# Altium PCB PCB - v2.PcbDoc (part 1 of 2) (continued)
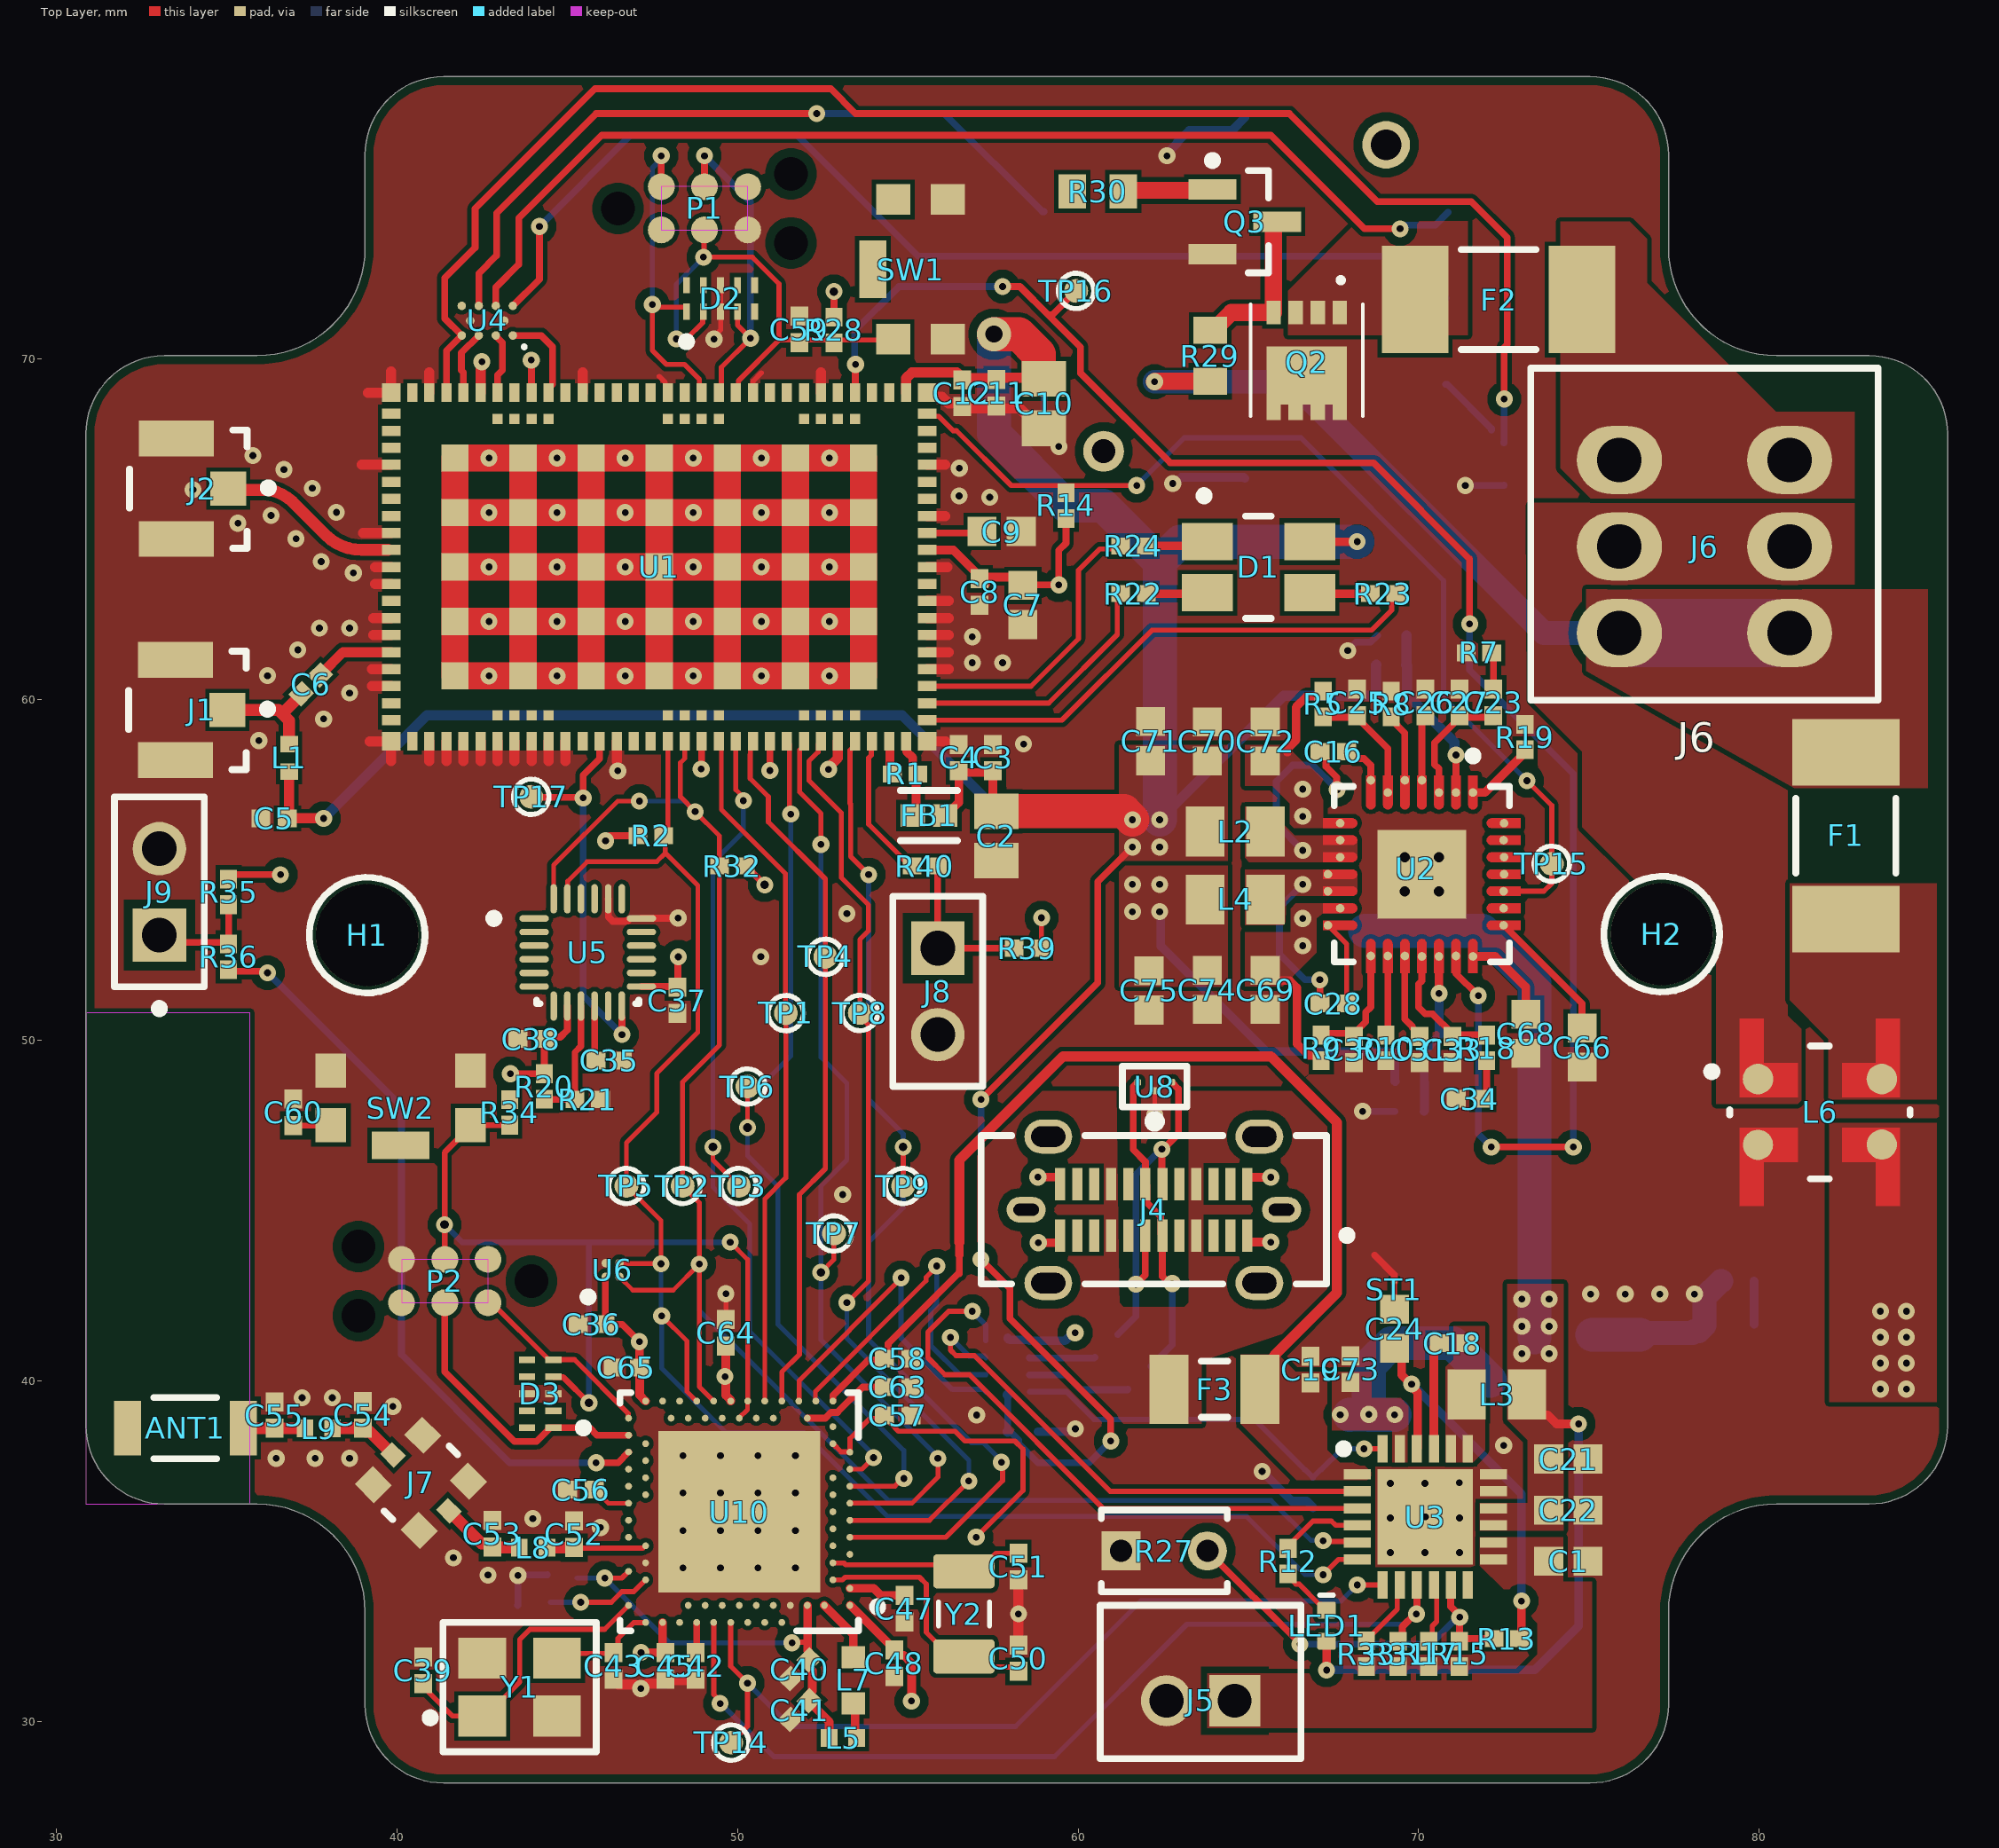
[diagram p0: Top Layer view]
## Components (designator, comment, footprint, x,y, rotation, side; value= is the part's Value field where it differs from the comment) (continued)
R23 "Resistor 0403" "RESC1005X40X25LL10T10 HD" 68.961,63.119 r180 top value=?R
R24 "Resistor 0403" "RESC1005X40X25LL10T10 HD" 61.628,64.516 r0 top value=?R
R25 "Resistor 0403" "RESC1005X40X25LL10T10 HD" 60.833,41.021 r225 bottom value=22
R26 "Resistor 0403" "RESC1005X40X25LL10T10 HD" 61.804,40.087 r225 bottom value=22
R27 "103AT-2" FP-103AT-2-MFG 62.53,35 r0 top
R28 "Resistor 0403" "RESC1005X40X25LL10T10 HD" 52.832,70.86 r90 top value=?R
R29 "Resistor 0603" RESC1608X55X25ML10T15 63.881,70.104 r270 top value=?R
R30 "Resistor 0603" RESC1608X55X25ML10T15 60.579,74.93 r0 top value=?R
R31 "Resistor 0403" "RESC1005X40X25LL10T10 HD" 69.4,31.975 r90 top value=?R
R32 "Resistor 0403" "RESC1005X40X25LL10T10 HD" 49.845,55.118 r0 top value=?R
R33 "Resistor 0403" "RESC1005X40X25LL10T10 HD" 68.47,31.98 r90 top value=?R
R34 "Resistor 0403" "RESC1005X40X25LL10T10 HD" 43.307,47.879 r90 top value=?R
R35 "Resistor 0403" "RESC1005X40X25LL10T10 HD" 35.052,54.356 r270 top value=?R
R36 "Resistor 0403" "RESC1005X40X25LL10T10 HD" 35.052,52.451 r270 top value=?R
R39 "Resistor 0403" "RESC1005X40X25LL10T10 HD" 58.503,52.705 r180 top value=?R
R40 "Resistor 0403" "RESC1005X40X25LL10T10 HD" 55.499,55.118 r0 top value=?R
ST1 "2 pin starpoint" "2 PIN STARPOINT" 69.289,42.687 r270 top net-tie value=N.A.
SW1 "MCIPTG33K-V" MCIPTG33K-V-Footprint-1 53.975,72.644 r90 top
SW2 "MCIPTG33K-V" MCIPTG33K-V-Footprint-1 40.103,46.91 r180 top
TP1 "TP_SMD_Ø0.7MM" TP_SMD_Ø0.7mm 51.419,50.796 r90 top value=Ø0.7mm,SMD
TP2 "TP_SMD_Ø0.7MM" TP_SMD_Ø0.7mm 48.387,45.72 r90 top value=Ø0.7mm,SMD
TP3 "TP_SMD_Ø0.7MM" TP_SMD_Ø0.7mm 50.038,45.72 r90 top value=Ø0.7mm,SMD
TP4 "TP_SMD_Ø0.7MM" TP_SMD_Ø0.7mm 52.578,52.451 r90 top value=Ø0.7mm,SMD
TP5 "TP_SMD_Ø0.7MM" TP_SMD_Ø0.7mm 46.736,45.72 r90 top value=Ø0.7mm,SMD
TP6 "TP_SMD_Ø0.7MM" TP_SMD_Ø0.7mm 50.292,48.641 r90 top value=Ø0.7mm,SMD
TP7 "TP_SMD_Ø0.7MM" TP_SMD_Ø0.7mm 52.832,44.323 r90 top value=Ø0.7mm,SMD
TP8 "TP_SMD_Ø0.7MM" TP_SMD_Ø0.7mm 53.594,50.8 r90 top value=Ø0.7mm,SMD
TP9 "TP_SMD_Ø0.7MM" TP_SMD_Ø0.7mm 54.864,45.72 r90 top value=Ø0.7mm,SMD
TP14 "TP_SMD_Ø0.7MM" TP_SMD_Ø0.7mm 49.812,29.369 r90 top value=Ø0.7mm,SMD
TP15 "TP_SMD_Ø0.7MM" TP_SMD_Ø0.7mm 73.914,55.182 r90 top value=Ø0.7mm,SMD
TP16 "TP_SMD_Ø0.7MM" TP_SMD_Ø0.7mm 59.944,72.009 r90 top value=Ø0.7mm,SMD
TP17 "TP_SMD_Ø0.7MM" TP_SMD_Ø0.7mm 43.942,57.15 r90 top value=Ø0.7mm,SMD
U1 "nRF9160-SICAB1A" LGA50P1600X1050X104-161N 47.7,63.9 r180 top
U2 "TPS65252RHDR" FP-RHD0028A-MFG 70.099,54.876 r270 top
U3 "BQ25890H" QFN50P400X400X80-25N-D 70.2,36 r0 top
U4 "CM1402-03CP" ONSC-WLCSP-10-567BL-01 42.65,71.135 r180 top
U5 "ICM-20948" FP-ICM-20948-IPC_A 45.601,52.578 r0 top
U6 "MAX31875R0TZS+T" FP-Z40C0-1-MFG 46.33,43.253 r90 top
U7 "PI3USB221EQ1ZUAEX" PI3USB221EQ1ZUAEX-Footprint-1 57.936,40.423 r0 bottom
U8 "ESD122DMYR" FP-DMY0003A-MFG 62.251,48.64 r90 top
U10 "NRF52840-QIAA-R7" NRSC-AQFN-73 50.05,36.15 r180 top
Y1 "7M-32.000MEEQ-T" FP-7M-MFG 43.6,31 r0 top
Y2 "ABS07-166-32.768KHZ-T" EPSON-FC-135_V 56.65,33.15 r90 top

## Footprints (in the part's own frame and the unit in brackets; to place one, negate y for a bottom-side part, rotate by r counter-clockwise, add the part's x,y. Pads: shape width x height; smd on the part's side, far side on the other; paste and mask are expansions set on the pad)
"2 PIN STARPOINT" [mil]
  round 5 smd paste-3 mask-3: 1(-8,0) 2(8,0)
  Top Layer region: -11,-2.97 11,-2.97 11,3.03 -11,3.03
"CAPC1005X55X25LL05T10 HD" [mm] "Chip Capacitor, 2-Leads, Body 1.05x0.55mm, IPC High Density"
  rect 0.56x0.52 smd: 1(-0.39,0) 2(0.39,0)
  body extent -0.53,-0.28 0.53,0.28, height 0.55
"CAPC1608X90X40LL10T20 HD" [mm] "Chip Capacitor, 2-Leads, Body 1.70x0.90mm, IPC High Density"
  rect 0.85x0.85 smd: 1(-0.575,0) 2(0.575,0)
  body extent -0.85,-0.45 0.85,0.45, height 0.9
"CAPC2013X95X50LL10T25 HD" [mm] "Chip Capacitor, 2-Leads, Body 2.10x1.35mm, IPC High Density"
  rect 1.05x1.3 smd: 1(-0.725,0) 2(0.725,0)
  body extent -1.05,-0.67 1.05,0.67, height 0.95
DMP3007SCG13 [mm]
  rect 0.42x0.7 smd: 1(-0.975,0) 2(-0.325,0) 3(0.325,0) 4(0.975,0)
  rect 0.42x0.47 smd: 5(0.975,2.925) 6(0.325,2.925) 7(-0.325,2.925) 8(-0.975,2.925)
  rect 2.37x1.7 smd: 9(0,1.85)
  silkscreen extent -1.65,-0.25 1.65,3.05, body extent -1.65,-0.31 1.65,3.11, height 0.95
EPSON-FC-135_V [mm] "SMD, 2-Leads, Body 3.2x1.5mm"
  rrect20% 1x1.8 smd: 1(-1.25,0) 2(1.25,0)
  silkscreen extent -0.35,-0.75 0.35,0.75, body extent -1.6,-0.75 1.6,0.75, height 0.9
FP-7M-MFG [mm]
  rect 1.4x1.2 smd paste+0 mask+0: 1(-1.1,-0.85) 2(1.1,-0.85) 3(1.1,0.85) 4(-1.1,0.85)
  silkscreen extent -2.75,-1.9 2.25,1.9, body extent -1.9,-1.55 1.9,1.55, height 0.25
FP-103AT-2-MFG [mm]
  rect 1.15x1.15 hole 0.65 paste-1000 mask+0: 1(-1.27,0)
  round 1.15 hole 0.65 paste-1000 mask+0: 2(1.27,0)
  silkscreen extent -1.85,-1.2 1.85,1.2, body extent -1.95,-1.3 1.95,1.3, height 0.25
FP-0451-MFG [mil]
  rect 77x124 smd paste+0 mask+0: 1(-96.5,0) 2(96.5,0)
  silkscreen extent -43,-58 43,58, body extent -139,-66 139,66, height 10
FP-0468-MFG [mil]
  rect 45x80 smd paste+0 mask+0: 1(-52.5,0) 2(52.5,0)
  silkscreen extent -15,-32 15,32, body extent -79,-44 79,44, height 10
FP-204711-0001-MFG [mm]
  rrect100% 1.4x1 hole 0.6 slot 1 at 0 deg paste-1000 mask+0: 1(-3.1,2.15) 2(3.1,2.15) 5(-3.1,-2.15) 6(3.1,-2.15)
  rrect100% 1.15x0.75 hole 0.35 slot 0.75 at 0 deg paste-1000 mask+0: 3(-3.75,0) 4(3.75,0)
  rect 0.3x0.95 smd paste+0 mask+0: A1(-2.75,0.755) A2(-2.25,0.755) A3(-1.75,0.755) A4(-1.25,0.755) A5(-0.75,0.755) A6(-0.25,0.755) A7(0.25,0.755) A8(0.75,0.755) A9(1.25,0.755) A10(1.75,0.755) A11(2.25,0.755) A12(2.75,0.755) B1(2.75,-0.755) B2(2.25,-0.755) B3(1.75,-0.755) B4(1.25,-0.755) B5(0.75,-0.755) B6(0.25,-0.755) B7(-0.25,-0.755) B8(-0.75,-0.755) B9(-1.25,-0.755) B10(-1.75,-0.755) B11(-2.25,-0.755) B12(-2.75,-0.755)
  silkscreen extent -5.79,-2.18 5.07,2.18, body extent -5.17,-2.75 5.17,2.75, height 0.25
FP-AMCA31-MFG [mm]
  rect 0.8x1.6 smd paste+0 mask+0: 1(-1.7,0) 2(1.7,0)
  silkscreen extent -0.92,-0.9 0.92,0.9, body extent -2.2,-1 2.2,1, height 0.25
FP-ASMB-BTE1-0B332-MFG [mm]
  rect 1.1x1.5 smd paste+0 mask+0: 1(-0.75,-1.5) 2(-0.75,1.5) 3(0.75,1.5) 4(0.75,-1.5)
  silkscreen extent -2.22,-1.72 1.5,0.38, body extent -1.6,-2.35 1.6,2.35, height 0.25
FP-BLM15-0_05-d0_7-IPC_A [mm]
  rect 0.715x0.672 smd paste+0 mask+0: 1(-0.479,0) 2(0.479,0)
  silkscreen extent -0.84,-0.74 0.84,0.74, body extent -1.04,-0.54 1.04,0.54, height 0.25
FP-DLW5A-MFG [mm]
  round 0.897 smd paste+0 mask+0: 1(0.981,1.819) 4(0.981,-1.819)
  round 0.889 smd paste+0 mask+0: 2(-0.95,1.819) 3(-0.944,-1.819)
  Top Layer region: -2.75,2.35 -0.45,2.35 -0.45,0.65 -1.45,0.65 -1.45,1.65 -2.75,1.65 -2.75,2.35
  Top Layer region: 2.75,2.35 0.45,2.35 0.45,0.65 1.45,0.65 1.45,1.65 2.75,1.65 2.75,2.35
  Top Layer region: -2.75,-2.35 -0.45,-2.35 -0.45,-0.65 -1.45,-0.65 -1.45,-1.65 -2.75,-1.65 -2.75,-2.35
  Top Layer region: 2.75,-2.35 0.45,-2.35 0.45,-0.65 1.45,-0.65 1.45,-1.65 2.75,-1.65 2.75,-2.35
  silkscreen extent -1.95,-2.65 1.95,3.3, body extent -2.85,-2.75 2.85,2.75, height 0.25
FP-DMY0003A-MFG [mm]
  rrect50% 0.2x0.2 smd paste-1000 mask-1000: 1(-0.125,0) 2(0.125,-0.5) 3(0.125,0.5)
  silkscreen extent -1.17,-0.95 0.6,0.95, body extent -0.45,-0.8 0.45,0.8, height 0.25
FP-ICM-20948-IPC_A [mm]
  oval 0.861x0.192 smd paste+0 mask+0: 1(-1.575,1)
  rrect100% 0.861x0.192 smd paste+0 mask+0: 2(-1.575,0.6) 3(-1.575,0.2) 4(-1.575,-0.2) 5(-1.575,-0.6) 6(-1.575,-1) 13(1.575,-1) 14(1.575,-0.6) 15(1.575,-0.2) 16(1.575,0.2) 17(1.575,0.6) 18(1.575,1)
  rrect100% 0.192x0.861 smd paste+0 mask+0: 7(-1,-1.575) 8(-0.6,-1.575) 9(-0.2,-1.575) 10(0.2,-1.575) 11(0.6,-1.575) 12(1,-1.575) 19(1,1.575) 20(0.6,1.575) 21(0.2,1.575) 22(-0.2,1.575) 23(-0.6,1.575) 24(-1,1.575)
  silkscreen extent -2.88,-1.5 1.5,1.12, body extent -2.46,-2.46 2.46,2.46, height 0.25
FP-LQM18DN_70-MFG [mm]
  rect 0.65x0.7 smd paste+0 mask+0: 1(-0.675,0) 2(0.675,0)
  body extent -1.1,-0.58 1.1,0.58, height 0.25
FP-M20-9990246-MFG [mm]
  rect 1.57x1.57 hole 1.02 paste-1000 mask+0: 1(-1.27,0)
  round 1.57 hole 1.02 paste-1000 mask+0: 2(1.27,0)
  silkscreen extent -2.79,-1.32 2.79,1.32, body extent -2.89,-1.42 2.89,1.42, height 0.25
FP-MM8130-2600RA2-MFG [mm]
  rect 0.5x0.58 smd paste-1000 mask+0: 1(0,1.16) 2(0,-1.16)
  rect 0.75x0.8 smd paste-1000 mask+0: 3(-1.025,0.95) 4(1.025,0.95) 5(-1.025,-0.95) 6(1.025,-0.95)
  silkscreen extent -1.35,-0.18 1.35,0.18, body extent -1.5,-1.55 1.5,1.55, height 0.25
FP-RHD0028A-MFG [mm]
  round 0.252 smd paste-1000 mask+0: 1(-2.4,1.5) 2(-2.4,1) 3(-2.4,0.5) 4(-2.76,0) 5(-2.76,-0.5) 6(-2.4,-1) 7(-2.76,-1.5) 8(-1.5,-2.4) 9(-1,-2.4) 10(-0.5,-2.4) 11(0,-2.76) 12(0.5,-2.76) 13(1,-2.4) 14(1.5,-2.76) 15(2.4,-1.5) 16(2.4,-1) 17(2.4,-0.5) 18(2.415,0) 19(2.415,0.5) 20(2.4,1) 21(2.415,1.5) 22(1.5,2.4) 23(1,2.4) 24(0.5,2.4) 25(0,2.415) 26(-0.5,2.415) 27(-1,2.4) 28(-1.5,2.415)
  rect 2.6x2.6 smd paste-1000 mask+0: 29(0,0)
  Top Layer region: -1.36,2.9 -1.36,2.04 -1.371,1.986 -1.401,1.941 -1.446,1.911 -1.5,1.9 -1.5,1.9 -1.554,1.911 -1.599,1.941 -1.629,1.986 -1.64,2.04 -1.64,2.04 -1.64,2.9
  Top Layer region: -0.86,2.9 -0.86,2.04 -0.871,1.986 -0.901,1.941 -0.946,1.911 -1,1.9 -1,1.9 -1.054,1.911 -1.099,1.941 -1.129,1.986 -1.14,2.04 -1.14,2.04 -1.14,2.9
  Top Layer region: -0.36,2.9 -0.36,2.04 -0.371,1.986 -0.401,1.941 -0.446,1.911 -0.5,1.9 -0.5,1.9 -0.554,1.911 -0.599,1.941 -0.629,1.986 -0.64,2.04 -0.64,2.04 -0.64,2.9
  Top Layer region: 0.14,2.9 0.14,2.04 0.129,1.986 0.099,1.941 0.054,1.911 0,1.9 0,1.9 -0.054,1.911 -0.099,1.941 -0.129,1.986 -0.14,2.04 -0.14,2.04 -0.14,2.9
  Top Layer region: 0.64,2.9 0.64,2.04 0.629,1.986 0.599,1.941 0.554,1.911 0.5,1.9 0.5,1.9 0.446,1.911 0.401,1.941 0.371,1.986 0.36,2.04 0.36,2.04 0.36,2.9
  Top Layer region: 1.14,2.9 1.14,2.04 1.129,1.986 1.099,1.941 1.054,1.911 1,1.9 1,1.9 0.946,1.911 0.901,1.941 0.871,1.986 0.86,2.04 0.86,2.04 0.86,2.9
  Top Layer region: 1.64,2.9 1.64,2.04 1.629,1.986 1.599,1.941 1.554,1.911 1.5,1.9 1.5,1.9 1.446,1.911 1.401,1.941 1.371,1.986 1.36,2.04 1.36,2.04 1.36,2.9
  Top Layer region: 1.36,-2.9 1.36,-2.04 1.371,-1.986 1.401,-1.941 1.446,-1.911 1.5,-1.9 1.5,-1.9 1.554,-1.911 1.599,-1.941 1.629,-1.986 1.64,-2.04 1.64,-2.04 1.64,-2.9
  Top Layer region: 0.86,-2.9 0.86,-2.04 0.871,-1.986 0.901,-1.941 0.946,-1.911 1,-1.9 1,-1.9 1.054,-1.911 1.099,-1.941 1.129,-1.986 1.14,-2.04 1.14,-2.04 1.14,-2.9
  Top Layer region: 0.36,-2.9 0.36,-2.04 0.371,-1.986 0.401,-1.941 0.446,-1.911 0.5,-1.9 0.5,-1.9 0.554,-1.911 0.599,-1.941 0.629,-1.986 0.64,-2.04 0.64,-2.04 0.64,-2.9
  Top Layer region: -0.14,-2.9 -0.14,-2.04 -0.129,-1.986 -0.099,-1.941 -0.054,-1.911 0,-1.9 0,-1.9 0.054,-1.911 0.099,-1.941 0.129,-1.986 0.14,-2.04 0.14,-2.04 0.14,-2.9
  Top Layer region: -0.64,-2.9 -0.64,-2.04 -0.629,-1.986 -0.599,-1.941 -0.554,-1.911 -0.5,-1.9 -0.5,-1.9 -0.446,-1.911 -0.401,-1.941 -0.371,-1.986 -0.36,-2.04 -0.36,-2.04 -0.36,-2.9
  Top Layer region: -1.14,-2.9 -1.14,-2.04 -1.129,-1.986 -1.099,-1.941 -1.054,-1.911 -1,-1.9 -1,-1.9 -0.946,-1.911 -0.901,-1.941 -0.871,-1.986 -0.86,-2.04 -0.86,-2.04 -0.86,-2.9
  Top Layer region: -1.64,-2.9 -1.64,-2.04 -1.629,-1.986 -1.599,-1.941 -1.554,-1.911 -1.5,-1.9 -1.5,-1.9 -1.446,-1.911 -1.401,-1.941 -1.371,-1.986 -1.36,-2.04 -1.36,-2.04 -1.36,-2.9
  Top Layer region: 2.9,1.36 2.04,1.36 1.986,1.371 1.941,1.401 1.911,1.446 1.9,1.5 1.9,1.5 1.911,1.554 1.941,1.599 1.986,1.629 2.04,1.64 2.04,1.64 2.9,1.64
  Top Layer region: 2.9,0.86 2.04,0.86 1.986,0.871 1.941,0.901 1.911,0.946 1.9,1 1.9,1 1.911,1.054 1.941,1.099 1.986,1.129 2.04,1.14 2.04,1.14 2.9,1.14
  Top Layer region: 2.9,0.36 2.04,0.36 1.986,0.371 1.941,0.401 1.911,0.446 1.9,0.5 1.9,0.5 1.911,0.554 1.941,0.599 1.986,0.629 2.04,0.64 2.04,0.64 2.9,0.64
  Top Layer region: 2.9,-0.14 2.04,-0.14 1.986,-0.129 1.941,-0.099 1.911,-0.054 1.9,0 1.9,0 1.911,0.054 1.941,0.099 1.986,0.129 2.04,0.14 2.04,0.14 2.9,0.14
  Top Layer region: 2.9,-0.64 2.04,-0.64 1.986,-0.629 1.941,-0.599 1.911,-0.554 1.9,-0.5 1.9,-0.5 1.911,-0.446 1.941,-0.401 1.986,-0.371 2.04,-0.36 2.04,-0.36 2.9,-0.36
  Top Layer region: 2.9,-1.14 2.04,-1.14 1.986,-1.129 1.941,-1.099 1.911,-1.054 1.9,-1 1.9,-1 1.911,-0.946 1.941,-0.901 1.986,-0.871 2.04,-0.86 2.04,-0.86 2.9,-0.86
  Top Layer region: 2.9,-1.64 2.04,-1.64 1.986,-1.629 1.941,-1.599 1.911,-1.554 1.9,-1.5 1.9,-1.5 1.911,-1.446 1.941,-1.401 1.986,-1.371 2.04,-1.36 2.04,-1.36 2.9,-1.36
  Top Layer region: -2.9,-1.36 -2.04,-1.36 -1.986,-1.371 -1.941,-1.401 -1.911,-1.446 -1.9,-1.5 -1.9,-1.5 -1.911,-1.554 -1.941,-1.599 -1.986,-1.629 -2.04,-1.64 -2.04,-1.64 -2.9,-1.64
  Top Layer region: -2.9,-0.86 -2.04,-0.86 -1.986,-0.871 -1.941,-0.901 -1.911,-0.946 -1.9,-1 -1.9,-1 -1.911,-1.054 -1.941,-1.099 -1.986,-1.129 -2.04,-1.14 -2.04,-1.14 -2.9,-1.14
  Top Layer region: -2.9,-0.36 -2.04,-0.36 -1.986,-0.371 -1.941,-0.401 -1.911,-0.446 -1.9,-0.5 -1.9,-0.5 -1.911,-0.554 -1.941,-0.599 -1.986,-0.629 -2.04,-0.64 -2.04,-0.64 -2.9,-0.64
  Top Layer region: -2.9,0.14 -2.04,0.14 -1.986,0.129 -1.941,0.099 -1.911,0.054 -1.9,0 -1.9,0 -1.911,-0.054 -1.941,-0.099 -1.986,-0.129 -2.04,-0.14 -2.04,-0.14 -2.9,-0.14
  Top Layer region: -2.9,0.64 -2.04,0.64 -1.986,0.629 -1.941,0.599 -1.911,0.554 -1.9,0.5 -1.9,0.5 -1.911,0.446 -1.941,0.401 -1.986,0.371 -2.04,0.36 -2.04,0.36 -2.9,0.36
  Top Layer region: -2.9,1.14 -2.04,1.14 -1.986,1.129 -1.941,1.099 -1.911,1.054 -1.9,1 -1.9,1 -1.911,0.946 -1.941,0.901 -1.986,0.871 -2.04,0.86 -2.04,0.86 -2.9,0.86
  Top Layer region: -2.9,1.64 -2.04,1.64 -1.986,1.629 -1.941,1.599 -1.911,1.554 -1.9,1.5 -1.9,1.5 -1.911,1.446 -1.941,1.401 -1.986,1.371 -2.04,1.36 -2.04,1.36 -2.9,1.36
  silkscreen extent -3.6,-2.58 2.58,2.58, body extent -3,-3 3,3, height 0.25
FP-SIM8051-6-0-14-01-A-MFG [mm]
  round 1.2 hole 0.7 paste-1000 mask+0: 1(4.5,4.15)
  round 1.4 hole 0.9 paste-1000 mask+0: 4(-4.5,-4.15)
  rect 1x1.1 smd paste+0 mask+0: C1(2.54,-5.9) C2(0,-5.9) C3(-2.54,-5.9) C5(2.54,5.9) C6(0,5.9) C7(-2.54,5.9)
  rect 1x3 smd paste+0 mask+0: C4(5.3,0) C8(-5.3,0)
  Top Layer keep-out region: -0.6,4.65 0.6,4.65 0.6,3.65 -0.6,3.65
  Top Layer keep-out region: 1.94,4.65 3.14,4.65 3.14,3.65 1.94,3.65
  Top Layer keep-out region: 1.94,-2.95 3.14,-2.95 3.14,-3.95 1.94,-3.95
  Top Layer keep-out region: -0.6,-2.95 0.6,-2.95 0.6,-3.95 -0.6,-3.95
  Top Layer keep-out region: -3.14,-2.95 -1.94,-2.95 -1.94,-3.95 -3.14,-3.95
  Top Layer keep-out region: -3.14,4.65 -1.94,4.65 -1.94,3.65 -3.14,3.65
  Top Layer keep-out region: -3.575,2.15 3.575,2.15 3.575,-2.7 -3.575,-2.7
  silkscreen extent -4.84,-7.45 4.84,6.17, body extent -5.42,-6.1 5.42,6.1, height 1.35
FP-SOT1176-1-MFG [mm]
  rect 0.2x0.475 smd paste+0 mask-1000: 1(1,0.387) 2(0.5,0.387) 3(0,0.387) 4(-0.5,0.387) 5(-1,0.387) 6(-1,-0.387) 7(-0.5,-0.387) 8(0,-0.387) 9(0.5,-0.387) 10(1,-0.387)
  silkscreen extent 0.87,1.15 1.12,1.39, body extent -1.4,-0.77 1.4,0.77, height 0.25
FP-U_FL-R-SMT-1_80-MFG [mm]
  rect 1x1.05 smd paste-1000 mask+0: 1(0,-1.525)
  rect 1.05x2.2 smd paste-1000 mask+0: 2(-1.475,0) 3(1.475,0)
  silkscreen extent -1.75,-2.83 1.73,1.38, body extent -2.1,-2.15 2.1,1.73, height 0.25
FP-Z40C0-1-MFG [mm]
  round 0.25 smd paste+0 mask+0: A1(-0.2,0.2) A2(0.2,0.2) B1(-0.2,-0.2) B2(0.2,-0.2)
  silkscreen extent -0.92,0.6 -0.67,0.84, body extent -0.93,-0.93 0.93,0.93, height 0.25
Hole_3MM_NP-Footprint-1 [mm]
  round 3 hole 3 unplated paste+0 mask+0: ""(0.005,0.002)
  silkscreen extent -1.69,-1.7 1.71,1.7
INDC1005X55X25LL05T10_A [mm] "Chip Inductor, 2-Leads, Body 1.05x0.55mm, IPC High Density"
  rect 0.49x0.52 smd: 1(-0.405,0) 2(0.405,0)
  body extent -0.52,-0.28 0.53,0.28, height 0.55
INDC2013X105X50NL20T20 [mm] "Chip Inductor, 2-Leads, Body 2.2x1.45mm, IPC Medium Density"
  rect 1.13x1.47 smd: 1(-0.885,0) 2(0.885,0)
  body extent -1.1,-0.72 1.1,0.72, height 1.05
JST-B2B-PH-K-S_V [mm] "Connector, 2-Leads, Body 5.9x4.5mm, Pitch 2mm"
  rect 1.5x1.5 hole 1: 1(-1,0.55)
  round 1.5 hole 1: 2(1,0.55)
  silkscreen extent -2.95,-2.25 2.95,2.25, body extent -2.95,-2.25 2.95,2.25, height 6
LGA50P1600X1050X104-161N [mm]
  rect 0.54x0.54 smd mask+0.05: 1(-7.87,5.12) 21(-7.87,-5.12) 52(7.87,-5.12) 72(7.87,5.12)
  rect 0.54x0.3 smd mask+0.05: 2(-7.87,4.5) 3(-7.87,4) 4(-7.87,3.5) 5(-7.87,3) 6(-7.87,2.5) 7(-7.87,2) 8(-7.87,1.5) 9(-7.87,1) 10(-7.87,0.5) 11(-7.87,0) 12(-7.87,-0.5) 13(-7.87,-1) 14(-7.87,-1.5) 15(-7.87,-2) 16(-7.87,-2.5) 17(-7.87,-3) 18(-7.87,-3.5) 19(-7.87,-4) 20(-7.87,-4.5) 53(7.87,-4.5) 54(7.87,-4) 55(7.87,-3.5) 56(7.87,-3) 57(7.87,-2.5) 58(7.87,-2) 59(7.87,-1.5) 60(7.87,-1) 61(7.87,-0.5) 62(7.87,0) 63(7.87,0.5) 64(7.87,1) 65(7.87,1.5) 66(7.87,2) 67(7.87,2.5) 68(7.87,3) 69(7.87,3.5) 70(7.87,4) 71(7.87,4.5)
  rect 0.3x0.54 smd mask+0.05: 22(-7.25,-5.12) 23(-6.75,-5.12) 24(-6.25,-5.12) 25(-5.75,-5.12) 26(-5.25,-5.12) 27(-4.75,-5.12) 28(-4.25,-5.12) 29(-3.75,-5.12) 30(-3.25,-5.12) 31(-2.75,-5.12) 32(-2.25,-5.12) 33(-1.75,-5.12) 34(-1.25,-5.12) 35(-0.75,-5.12) 36(-0.25,-5.12) 37(0.25,-5.12) 38(0.75,-5.12) 39(1.25,-5.12) 40(1.75,-5.12) 41(2.25,-5.12) 42(2.75,-5.12) 43(3.25,-5.12) 44(3.75,-5.12) 45(4.25,-5.12) 46(4.75,-5.12) 47(5.25,-5.12) 48(5.75,-5.12) 49(6.25,-5.12) 50(6.75,-5.12) 51(7.25,-5.12) 73(7.25,5.12) 74(6.75,5.12) 75(6.25,5.12) 76(5.75,5.12) 77(5.25,5.12) 78(4.75,5.12) 79(4.25,5.12) 80(3.75,5.12) 81(3.25,5.12) 82(2.75,5.12) 83(2.25,5.12) 84(1.75,5.12) 85(1.25,5.12) 86(0.75,5.12) 87(0.25,5.12) 88(-0.25,5.12) 89(-0.75,5.12) 90(-1.25,5.12) 91(-1.75,5.12) 92(-2.25,5.12) 93(-2.75,5.12) 94(-3.25,5.12) 95(-3.75,5.12) 96(-4.25,5.12) 97(-4.75,5.12) 98(-5.25,5.12) 99(-5.75,5.12) 100(-6.25,5.12) 101(-6.75,5.12) 102(-7.25,5.12)
  rect 0.8x0.8 smd mask+0.05: 103(-6,3.2) 103(-6,-1.6) 103(-6,0) 103(-6,1.6) 103(-6,-3.2) 103(-4,3.2) 103(-4,-1.6) 103(-4,0) 103(-4,1.6) 103(-4,-3.2) 103(-2,1.6) 103(-2,3.2) 103(-2,0) 103(-2,-3.2) 103(-2,-1.6) 103(0,3.2) 103(0,1.6) 103(0,0) 103(0,-1.6) 103(0,-3.2) 103(2,1.6) 103(2,3.2) 103(2,0) 103(2,-3.2) 103(2,-1.6) 103(4,3.2) 103(4,-1.6) 103(4,0) 103(4,1.6) 103(4,-3.2) 103(6,3.2) 103(6,-1.6) 103(6,0) 103(6,1.6) 103(6,-3.2)
  rect 0.3x0.3 smd mask+0.05: 104(-5.75,-4.35) 105(-5.25,-4.35) 106(-4.75,-4.35) 107(-4.25,-4.35) 108(-1.75,-4.35) 109(-1.25,-4.35) 110(-0.75,-4.35) 111(-0.25,-4.35) 112(3.25,-4.35) 113(3.75,-4.35) 114(4.25,-4.35) 115(4.75,-4.35) 116(4.75,4.35) 117(4.25,4.35) 118(3.75,4.35) 119(3.25,4.35) 120(-0.25,4.35) 121(-0.75,4.35) 122(-1.25,4.35) 123(-1.75,4.35) 124(-4.25,4.35) 125(-4.75,4.35) 126(-5.25,4.35) 127(-5.75,4.35)
  Top Layer pour cut-out: -8.15,5.4 8.15,5.4 8.15,-5.4 -8.15,-5.4
  body extent -8.05,-5.3 8.05,5.3, height 1.2
MCIPTG33K-V-Footprint-1 [mm]
  rect 0.9x1 smd paste-1000 mask+0: 1(-2.05,-0.6) 2(-2.05,-2.2) 3(2.05,-0.6) 4(2.05,-2.2)
  rect 1.7x0.8 smd paste-1000 mask+0: 5(0,0)
  body extent -2.5,-2.5 2.5,-0.3, height 1.9
"New footprint 1"#1 [mm]
  oval 2x2.5 hole 1.3 mask+0.15: 1(0,5) 1(0,0) 2(2.54,5) 2(2.54,0) 3(5.08,5) 3(5.08,0)
  silkscreen extent -2.7,-2.6 7.06,7.6, body extent -2.73,-4.51 6.99,7.59, height 12.09
"New footprint 1"#2 [mm]
  round 0.787 smd paste-1000 mask+0: 1(0,0) 2(0,1.27) 3(1.27,0) 4(1.27,1.27) 5(2.54,0) 6(2.54,1.27)
  round 0 hole 0.991 unplated paste-1000 mask+0: ""(-1.27,0.635) ""(3.81,-0.381) ""(3.81,1.651)
  Keep-Out Layer region: 0,0 2.54,0 2.54,1.27 0,1.27
NRSC-AQFN-73 [mm] "AQFN, 73-Leads, Body 7x7mm, Pitch 0.5mm"
  rect 4.75x4.75 smd: 74(0,0)
  round 0.2 smd: A8(-1.25,3.25) A10(-0.75,3.25) A12(-0.25,3.25) A14(0.25,3.25) A16(0.75,3.25) A18(1.25,3.25) A20(1.75,3.25) A22(2.25,3.25) A23(2.75,3.25) AA24(3.25,-2.25) AB2(-2.75,-2.5) AC5(-2,-2.75) AC9(-1,-2.75) AC11(-0.5,-2.75) AC13(0,-2.75) AC15(0.5,-2.75) AC17(1,-2.75) AC19(1.5,-2.75) AC21(2,-2.75) AC24(3.25,-2.75) AD2(-2.75,-3.25) AD4(-2.25,-3.25) AD6(-1.75,-3.25) AD8(-1.25,-3.25) AD10(-0.75,-3.25) AD12(-0.25,-3.25) AD14(0.25,-3.25) AD16(0.75,-3.25) AD18(1.25,-3.25) AD20(1.75,-3.25) AD22(2.25,-3.25) AD23(2.75,-3.25) B1(-3.25,2.75) B3(-2.5,2.75) B5(-2,2.75) B7(-1.5,2.75) B9(-1,2.75) B11(-0.5,2.75) B13(0,2.75) B15(0.5,2.75) B17(1,2.75) B19(1.5,2.75) B24(3.25,2.75) C1(-3.25,2.25) D2(-2.75,2) D23(2.75,2) E24(3.25,1.75) F2(-2.75,1.5) F23(2.75,1.5) G1(-3.25,1.25) H2(-2.75,1) H23(2.75,1) J1(-3.25,0.75) J24(3.25,0.75) K2(-2.75,0.5) L1(-3.25,0.25) L24(3.25,0.25) M2(-2.75,0) N1(-3.25,-0.25) N24(3.25,-0.25) P2(-2.75,-0.5) P23(2.75,-0.5) R1(-3.25,-0.75) R24(3.25,-0.75) T2(-2.75,-1) T23(2.75,-1) U1(-3.25,-1.25) U24(3.25,-1.25) V23(2.75,-1.5) W1(-3.25,-1.75) W24(3.25,-1.75) Y2(-2.75,-2) Y23(2.75,-2)
  silkscreen extent -4.19,-3.5 3.5,3.5, body extent -3.5,-3.5 3.5,3.5, height 0.85
NXP-SOT23_N [mm] "SOT23, 3-Leads, Body 3x1.4mm, Pitch 0.95mm, IPC Medium Density"
  rect 1.4x0.6 smd: 1(-0.95,0.95) 2(-0.95,-0.95) 3(0.95,0)
  silkscreen extent -1.07,-1.5 0.7,1.92, body extent -0.7,-1.5 0.7,1.5, height 1.1
ONSC-WLCSP-10-567BL-01 [mm] "BGA, 10-Balls, Body 1.96x1.33mm"
  round 0.25 smd: A1(-0.75,0.435) A2(-0.25,0.435) A3(0.25,0.435) A4(0.75,0.435) B1(-0.5,0) B2(0.5,0) C1(-0.75,-0.435) C2(-0.25,-0.435) C3(0.25,-0.435) C4(0.75,-0.435)
  silkscreen extent -1.14,0.72 -1.04,0.82, body extent -0.98,-0.66 0.98,0.66, height 0.72
PI3USB221EQ1ZUAEX-Footprint-1 [mm]
  rect 0.53x0.3 smd paste-1000 mask+0.06: 1(-0.64,0.75) 4(-0.64,-0.75) 6(0.64,-0.75) 9(0.64,0.75)
  rect 0.53x0.25 smd paste-1000 mask+0.06: 2(-0.64,0.25) 3(-0.64,-0.25) 7(0.64,-0.25) 8(0.64,0.25)
  rect 0.35x0.63 smd paste-1000 mask+0.06: 5(0,-0.84) 10(0,0.84)
  silkscreen extent -1.25,-1.1 1.2,1.2, body extent -0.75,-1 0.75,1, height 0.48
QFN50P400X400X80-25N-D [mm]
  rect 0.8x0.3 smd: 1(-2,1.25) 2(-2,0.75) 3(-2,0.25) 4(-2,-0.25) 5(-2,-0.75) 6(-2,-1.25) 13(2,-1.25) 14(2,-0.75) 15(2,-0.25) 16(2,0.25) 17(2,0.75) 18(2,1.25)
  rect 0.3x0.8 smd: 7(-1.25,-2) 8(-0.75,-2) 9(-0.25,-2) 10(0.25,-2) 11(0.75,-2) 12(1.25,-2) 19(1.25,2) 20(0.75,2) 21(0.25,2) 22(-0.25,2) 23(-0.75,2) 24(-1.25,2)
  rect 2.8x2.8 smd: 25(0,0)
  silkscreen extent -2.52,1.88 -2.27,2.12, body extent -2.05,-2.05 2.05,2.05, height 0.8
QTB-QBLP595_V [mm] "SMD, 2-Leads, Body 1x0.5mm"
  rrect25% 0.5x0.55 smd: 1(-0.455,0) 2(0.455,0)
  silkscreen extent -0.9,-0.2 -0.9,0.2, body extent -0.5,-0.25 0.5,0.25, height 0.5
"RESC1005X40X25LL10T10 HD" [mm] "Chip Resistor, 2-Leads, Body 1.1x0.6mm, IPC High Density"
  rect 0.55x0.5 smd: 1(-0.375,0) 2(0.375,0)
  body extent -0.55,-0.27 0.55,0.28, height 0.4
RESC1608X55X25ML10T15 [mm] "Chip Resistor, 2-Leads, Body 1.70x0.90mm, IPC Low Density"
  rect 0.8x1 smd: 1(-0.75,0) 2(0.75,0)
  body extent -0.85,-0.45 0.85,0.45, height 0.55
TP_SMD_Ø0.7mm [mm]
  round 0.7 smd paste-5: 1(0,0)
  silkscreen extent -0.52,-0.52 0.52,0.52

## Part data
ANT1: library part CMP-27836-000002-1, "RF ANT 2.4GHZ CHIP SOLDER SMD", Manufacturer=Abracon, Max Frequency=2450MHz, Package=AMCA31, Power Rating=3W, Temperature="-40°C to +85°C", Temperature Range High=+85°C, Temperature Range Low=-40°C, Automotive=No, Bandwidth=100MHz, Category=Ant, ComponentLink2Description=Datasheet, ComponentLink2URL=https://abracon.com/chip-antenna/AMCA31-2R450G-S1F-T3.pdf, Device Class L1="Integrated Circuits (ICs)", Device Class L2="RF Semiconductors and Devices", Device Class L3="RF Antennas", Digikey Description="RF ANT 2.4GHZ CHIP SOLDER SMD", Height=1.4mm, Impedance=50Ω, Lead Free=Yes, Manufacturer Part Number=AMCA31-2R450G-S1F-T3, Mouser Description="Antennas 2.45GHz BW 90dB + Gain -1 dBi avg.", Number of Bands=1, Octopart=https://octopart.com/amca31-2r450g-s1f-t3-abracon-31435383, RoHS=TRUE
C1 C7 C9 C14 C15 C21 C22 C24 C66 C67 C68 C69 C70 C71 C72 C74 C75: library part CMP-001-00014-13, "Chip Capacitor, 0603 (1608 Metric)", Case/Package=0603, Max Operating Temperature=Ceramic, Tolerance=?%, Voltage Rating=?V, Mounting Technology=SMT, Pins=2
C2 C10 C13: library part CMP-001-00018-14, "Chip Capacitor, 0805 (2012 Metric)", Capacitor Type=Ceramic, Case/Package=0805, Max Operating Temperature=125°C, Min Operating Temperature=-55°C, Tolerance=?%, Voltage Rating=?V, Mounting Technology=SMT, Pins=2
C3 C4 C5 C6 C8 C11 C12 C16 C17 C18 C19 C23 C25 C26 C27 C28 C29 C30 C31 C32 C33 C34 C35 C36 C37 C38 C39 C40 C41 C42 C43 C45 C46 C47 C48 C49 C50 C51 C52 C53 C54 C55 C56 C57 C58 C59 C60 C63 C64 C65 C73: library part CMP-001-00008-14, "Chip Capacitor, 0402 (1005 Metric)", Capacitor Type=Ceramic, Case/Package=0402, Tolerance=?%, Voltage Rating=?V, Mounting Technology=SMT, Pins=2
C20: library part CMP-001-00008-10, "Chip Capacitor, 0402 (1005 Metric)", Capacitor Type=Ceramic, Case/Package=0402, Tolerance=?%, Voltage Rating=?V, Mounting Technology=SMT, Pins=2
D1: library part CMP-005-000000-1, "LED RGB DIFFUSED 4PLCC SMD", Colour="Blue, Green, Red", Forward Current=20mA, Forward Voltage=3.1/3.1/2.1V, Manufacturer=Broadcom, Manufacturer Part Number=ASMB-BTE1-0B332, Max Junction Temp=+110°C, Package=0, Power Dissipation=90/90/78mW, Reverse Voltage=4V, Temperature="-40°C to +100°C", Temperature Range High=+100°C, Temperature Range Low=-40°C, Automotive=No, Category=Diode, Design Item ID="ASMB-BTE1-0B332 RGB LED", Device Class L1=Optoelectronics, Device Class L2=LEDs, Device Class L3=unset, Digikey Description="LED RGB DIFFUSED 4PLCC SMD", Height=2.1mm, Lead Free=Yes, Led Orientation="Top View", Luminous Intensity=350/1500/630mcd, Octopart=https://octopart.com/asmb-bte1-0b332-broadcom-71127192, Peak Emmision Wavelength=464/521/629nm, RoHS=TRUE, Source="Moto Symbol Lib.SchLib", Viewing Angle=110°, Wavelength=469/529/622nm
D2 D3: library part CMP-001-0001-2, "ESD protection for ultra high-speed interfaces", ComponentLink1Description=Datasheet, ComponentLink1URL=https://assets.nexperia.com/documents/data-sheet/PUSB3FA0.pdf
F1 F2: library part CMP-2000-05653-2, "FUSE BRD MNT 5A 125VAC/VDC 2SMD", Fuse Current=5A, Fuse Interrupt Ac Current=50A, Manufacturer="Littelfuse Inc", Max Fuse Ac Voltage=125V, Package=0451, Resistance=0.0125Ω, Temperature="-55°C to +125°C", Temperature Range High=+125°C, Temperature Range Low=-55°C, Automotive=No, Category=Fuse, ComponentLink2Description=Datasheet, ComponentLink2URL=https://www.littelfuse.com/~/media/electronics/datasheets/fuses/littelfuse_fuse_451_453_datasheet.pdf.pdf, Device Class L1="Circuit Protection", Device Class L2=Fuses, Device Class L3=unset, Digikey Description="FUSE BRD MNT 5A 125VAC/VDC 2SMD", Fuse Blow Speed=Fast, Fuse I2T=5.566A2Sec, Fuse Interrupt Dc Current=50A, Height=2.94mm, Lead Free=Yes, Manufacturer Part Number=0451005.MRL, Max Fuse Dc Voltage=125V, Mouser Description="Surface Mount Fuses 125V 5A", Octopart=https://octopart.com/0451005.mrl-littelfuse-566389, RoHS=TRUE, Voltage Rating=125V
F3: library part CMP-2000-05753-2, "FUSE BOARD MNT 1A 63VAC/VDC 1206", Fuse Current=1A, Fuse Interrupt Ac Current=50A, Fuse Voltage Drop=94.7mV, Manufacturer=Littelfuse, Max Fuse Ac Voltage=63V, Package=0468, Resistance=0.079Ω, Temperature="-55°C to +90°C", Temperature Range High=+90°C, Temperature Range Low=-55°C, Automotive=No, Category=Fuse, ComponentLink2Description=Datasheet, ComponentLink2URL=https://m.littelfuse.com/~/media/electronics/datasheets/fuses/littelfuse_fuse_468_datasheet.pdf.pdf, Device Class L1="Circuit Protection", Device Class L2=Fuses, Device Class L3=unset, Digikey Description="FUSE BOARD MNT 1A 63VAC/VDC 1206", Fuse Blow Speed=Slow, Fuse I2T=0.127A2Sec, Fuse Interrupt Dc Current=50A, Height=0.762mm, Lead Free=Yes, Manufacturer Part Number=0468001.NR, Max Fuse Dc Voltage=63V, Mouser Description="Surface Mount Fuses 1A Slo-Blo", Octopart=https://octopart.com/0468001.nr-littelfuse-566477, RoHS=TRUE, Voltage Rating=63V
FB1: library part CMP-006-00021-1, "Ferrite Beads Multi-Layer 120Ohm 25% 100MHz 2A 0.055Ohm DCR 0402 T/R"
H1 H2: library part CMP-022-000001-2, "Regular Non-Plated, 3mm hole", Manufacturer="Nordic Semiconductor", Manufacturer Part Number=N.A., Artikkelnr Noca=N.A., Component Class=Connectors, Component Type="Standard (No BOM)", ComponentLink1Description=Datasheet, ComponentLink1URL=N.A., ComponentLink2Description="Supplier link", ComponentLink2URL=N.A., Design Item ID=Hole_3MM_NP, Footprint Doc=Hole_3MM_NP, HelpURL=N.A., LatestRevisionDate=2009-12-12, Note="Regular Non-Plated, 3mm hole", Pad Count=1, Part Number=Hole_3MM_NP, Part number IPS=N.A., PartId=100500145, Pin Count=1, Published=2009-12-12, Source=pca20035.SCHLIB
J1 J2: library part CMP-000007-1, "CONN U.FL RCPT STR 50 OHM SMD"
J3: library part CMP-002-00073-2, "Push-Pull 6P 1.35mmH 3µ\" gold with peg and logo Nano SIM Card Connector"
J4: library part CMP-04767-000011-1, "USB VERTICAL TYPE C 3.1"
J5: library part CMP-2000-05162-1, "Male Header, Pitch 2 mm, 1 x 2 Position, Height 6 mm, Tail Length 3.4 mm, -25 to 85 degC, RoHS, Bulk", Manufacturer=JST, Datasheet URL=http://datasheet.octopart.com/B2B-PH-K-S%28LF%29%28SN%29-JST-datasheet-8324864.pdf, Datasheet Version=Nov-08, Manufacturer URL=http://www.jst.com/home2.html, No of Positions=2, Pitch=2mm, Style/Orientation=StraightHeader/Plug, Termination=Crimp, Type=ShroudedHeader
J6: library part CMP-030-000002-4, "PCB Terminal Blocks, Receptacle, Wire-to-Board, 3 Position, 1 Row, Top Wire Entry Angle, 28 – 20 AWG Wire Size, 4 A, 300 VAC, Printed Circuit Board", Current Rating="4 A", Voltage Rating="300 VAC", ComponentLink1Description=Datasheet, ComponentLink1URL=https://www.te.com/usa-en/product-2834085-2.datasheet.pdf, Positions=3, Rows=1
J7: library part CMP-000011-2, "CONN SWF JACK STR 50 OHM SMD"
J8 J9: library part CMP-15831-000009-1, "CONN HEADER VERT 2POS 2.54MM", Current Rating=3A, Manufacturer=Harwin, Temperature="-40°C to +105°C", Temperature Range High=+105°C, Temperature Range Low=-40°C, Automotive=No, Category=Conn, ComponentLink2Description=Datasheet, ComponentLink2URL=https://cdn.harwin.com/pdfs/M20-999.pdf, Conn Gender=Male, Conn Orientation=Vertical, Contact Material=Tin,Nickel, Device Class L1=Connectors, Device Class L2="Headers and Wire Housings", Device Class L3=unset, Digikey Description="CONN HEADER VERT 2POS 2.54MM", Height=8.99mm, Lead Free=Yes, Manufacturer Part Number=M20-9990246, Mouser Description="2.54mm (0.1\") Pitch SIL Vertical PC Tail Pin Header, 6.1mm mating pin height, tin, 2 contacts", Number of contacts=2, Number of Rows=1, Octopart=https://octopart.com/m20-9990246-harwin-2590635, Package=M20-9990246, Pitch=2.54mm, RoHS=TRUE
L1 L5 L8 L9: library part CMP-000000-6, "Inductor RF Chip Thin Film 0402", Current Rating=?A, Inductance=?H, Resonant Frequency=?Hz, Pins=2
L2 L3 L4: library part CMP-006-00023-4, "Inductor RF Chip Thin Film 0805", Current Rating=?A, Inductance=?H, Resonant Frequency=?Hz, Pins=2
L6: library part CMP-000010-1, "Ind Common Mode Choke Wirewound 230 Ohm 100MHz 4A Embossed T/R"
L7: library part CMP-000001-5, "Inductor 0603 Multilayer", Current Rating=?A, Package=0603, Voltage Rating=?V
LED1: library part CMP-007-00040-3, "Chip LED 0402, Red, 0.02 A, 2.0 to 2.5 V, -40 to 80 degC, 2-Pin SMD, RoHS, Tape and Reel", Case/Package=0402, Colour=Red, Mounting Technology=SMT, Pins=2, RoHS Compliant=Yes
P1 P2: library part CMP-002-00072-1, "The TC2030-IDC-NL is our “No Legs” 6-pin Plug-of-Nails™ programming cable fitted with a 6-pin 0.1″ pitch ribbon connector.", ComponentLink1Description=Link, ComponentLink1URL=https://www.tag-connect.com/product/tc2030-idc-nl?fbclid=IwAR1tgnLH4nUig5e5nqm2vOLKgKeHrLJDpX61UscnRNookxhlbYr0vcLwdls
Q1 Q2: library part CMP-028-000000-2, "Trans MOSFET P-CH 30V 50A 8-Pin VDFN EP T/R", Manufacturer_Name="Diodes Inc.", Mouser Part Number=621-DMP3007SCG-13, Arrow Part Number=DMP3007SCG-13, Arrow Price/Stock=https://www.arrow.com/en/products/dmp3007scg-13/diodes-incorporated, Datasheet Link=https://componentsearchengine.com/Datasheets/1/DMP3007SCG-13.pdf, Design Item ID=DMP3007SCG-13, Height=0.85mm, Manufacturer_Part_Number=DMP3007SCG-13, Mouser Price/Stock=https://www.mouser.co.uk/ProductDetail/Diodes-Incorporated/DMP3007SCG-13?qs=lqAf%2FiVYw9j1j9A9Mlh%252Bjg%3D%3D, Source="Moto Symbol Lib.SchLib"
Q3: library part CMP-1259-00088-1, "N-Channel Trench MOSFET, 60 V, 0.3 A, -55 to 150 degC, 3-Pin SOT23, Tape and Reel", Manufacturer="NXP Semiconductors", Automotive Qualified=Y, Channel Type=N, Code_JEDEC=TO-236AB, ComponentLink1Description="Manufacturer URL", ComponentLink1URL=http://www.nxp.com/, ComponentLink2Description=Datasheet, ComponentLink2URL=http://www.nxp.com/documents/data_sheet/2N7002CK.pdf, ComponentLink3Description="Package Specification", ComponentLink3URL=http://www.nxp.com/documents/outline_drawing/sot023_po.pdf, DatasheetVersion="Rev. 01", ID [max] (A)=0.3, IDM [max] (A)=1.2, Mounting Technology="Surface Mount", PackageDescription="3-Pin Small Outline Transistor Package, Body 2.9 x 1.3 mm, Pitch 0.95 mm", PackageReference=SOT23, PackageVersion="06-03-16, 03/2006", Packing="Tape & Reel", PartNumber=2N7002CK,215, VDS [max] (V)=60, VGSth [typ] (V)=1.75
R1 R2 R3 R4 R5 R6 R7 R8 R9 R10 R11 R12 R13 R14 R15 R16 R17 R18 R19 R20 R21 R22 R23 R24 R28 R31 R32 R33 R34 R35 R36 R39 R40: library part CMP-009-00178-4, Package=0403, Design Item ID="Resistor EU", Source="Moto Symbol Lib.SchLib"
R25 R26: library part CMP-009-00178-3, Package=0403, Design Item ID="Resistor EU", Source="Moto Symbol Lib.SchLib"
R27: library part CMP-2000-05824-2, "Thermistor NTC 10KOhm 1% 2-Pin", Max Operating Temperature=110°C, Min Operating Temperature=-50°C, Resistance=10kR, Tolerance=1%, Height=2.4mm, Lead Pitch=2.54mm, Length=17mm, Number of Pins=2, Packaging=Bulk, RoHS Compliant=Yes, Series=AT, Termination=Radial, Width=3.7mm
R29 R30: library part CMP-009-000000-4, Design Item ID="Resistor EU", Source="Moto Symbol Lib.SchLib"
ST1: library part CMP-026-000001-1, "Starpoint", Manufacturer=N.A., Artikkelnr Noca=N.A., Component Class=Connectors, Component Type="Net Tie", ComponentLink1Description=Datasheet, ComponentLink1URL=N.A., ComponentLink2Description="Supplier link", ComponentLink2URL=N.A., Design Item ID="2 pin starpoint", Footprint Doc=N.A., HelpURL=N.A., LatestRevisionDate=2017-08-31, Manufacturer Part Number=N.A., Note=N.A., Pad Count=2, Part Number="2 pin starpoint", Part number IPS=N.A., PartId=100500603, Pin Count=2, Published=2017-08-31, Source=pca20035.SCHLIB
SW1 SW2: library part CMP-011-00014-2, "The MCIPTG33K-V is a Tactile Switch with solder terminal. The 2.8 x 3.8mm vertical push series switch has silver plated stainless steel contact, high-temperature thermoplastic LCP stem and silver plated stainless steel cover.", ComponentLink1Description=Link, ComponentLink1URL=https://www.farnell.com/datasheets/3167256.pdf
TP1 TP2 TP3 TP4 TP5 TP6 TP7 TP8 TP9 TP14 TP15 TP16 TP17: library part CMP-025-000000-1, "0.7mm circular SMD testpad", Manufacturer="Nordic Semiconductor", Manufacturer Part Number=N.A., Artikkelnr Noca=N.A., Component Class=Connectors, Component Type="Standard (No BOM)", ComponentLink1Description=Datasheet, ComponentLink1URL=N.A., ComponentLink2Description="Supplier link", ComponentLink2URL=N.A., Design Item ID=TP_SMD_Ø0.7MM, Footprint Doc=TP_SMD_Ø0.7mm, HelpURL=N.A., LatestRevisionDate=2017-12-14, Note=N.A., Pad Count=1, Part Number=TP_SMD_Ø0.7MM, Part number IPS=N.A., PartId=100500474, Pin Count=1, Published=2017-12-14, Source=pca20035.SCHLIB
U1: library part CMP-026-000000-1, "Low power System-in-Package with integrated LTE-M/NB-IoT modem and GPS", Manufacturer="Nordic Semiconductor", Part number IPS=80000002329, Artikkelnr Noca=N.A., Component Class=nRF_Devices, Component Type=Standard, ComponentLink1Description=Datasheet, ComponentLink1URL=N.A., ComponentLink2Description="Supplier link", ComponentLink2URL=N.A., Design Item ID=nRF9160-SICAB1A, Footprint Doc=LGA-161, HelpURL=N.A., LatestRevisionDate=2020-08-13, Manufacturer Part Number=nRF9160-SICAB1A, Note=N.A., Pad Count=161, Part Number=nRF9160-SICAB1A, PartId=102000165, Pin Count=127, Published=2020-08-13, Source=pca20035.SCHLIB
U2: library part CMP-019-00049-6, "TPS65252 4.5V to 16V Input, 3A/2"
U3: library part CMP-010-000003-3, "BQ25890H I2C Controlled Single Cell 5-A Fast Charger with MaxChargeTM Technology for High Input Voltage and Adjustable Voltage USB On-the-Go Boost Mode", Design Item ID=BQ25890H, Source="Moto Symbol Lib.SchLib"
U4: library part CMP-1066-00070-1, "SIM Card EMI Filter Array with ESD Protection, -40 to 85 degC, 10-Pin WLCSP, Pb-Free, Tape and Reel", Manufacturer="On Semiconductor", C Typ (pF)=20, ComponentLink1Description="Manufacturer URL", ComponentLink1URL=http://www.onsemi.com/, ComponentLink2Description=Datasheet, ComponentLink2URL=http://www.onsemi.com/pub_link/Collateral/CM1402-D.PDF, ComponentLink3Description="Package Specification", ComponentLink3URL=http://www.onsemi.com/pub_link/Collateral/567BL.PDF, DatasheetVersion="Rev. 4", Mounting Technology="Surface Mount", Number of Lines=4, PackageDescription="10-Ball Wafer Level Chip Scale Package, Body 1.96 x 1.33 mm", PackageReference=WLCSP-10-567BL-01, PackageVersion="Rev. O, 07/2010", Packing="Tape and Reel", PartNumber=CM1402-03CP, RoHS=Pb-Free
U5: library part CMP-000008-2, "IMU ACCEL/GYRO/COMPI2C/SPI 24QFN"
U6: library part CMP-010-00024-1, "The MAX31875 is a ±1°C-Accurate Local Temperature Sensor with I2C/SMBus Interface."
U7: library part CMP-015-00008-3, "High-Speed USB2.0 1:2 Multiplexer/DeMultiplexer Switch with Signal Enable", ComponentLink1Description=Datasheet, ComponentLink1URL=https://4donline.ihs.com/images/VipMasterIC/IC/DIOD/DIOD-S-A0012930327/DIOD-S-A0012956463-1.pdf?hkey=6D3A4C79FDBF58556ACFDE234799DDF0
U8: library part CMP-04985-000020-1, "TVS DIODE 3.6V 8.4V 3X2SON", Clamping Voltage=8.4V, Max Operating Temperature=125°C, Min Breakdown Voltage=5.1V, Min Operating Temperature=-40°C, Peak Pulse Current=2.5A, Peak Pulse Power=20W, Power Line Protection=No, Resistor Type=Zener, Reverse Standoff Voltage=3.6V, Interface=USB, Mount="Surface Mount", Number of Bidirectional Channels=2, Number Of Channels=2, Number of Pins=3, Packaging="Tape and Reel", RoHS Compliant=Yes
U10: library part CMP-020-00024-2, "Advanced multi-protocol SoC supporting Bluetooth 5/ANT/ 802.15.4/ 2.4GHz proprietary"
Y1: library part CMP-003-00030-1, "Crystal 32MHz ±10ppm (Tol) ±10ppm (Stability) 10pF FUND 50Ohm 4-Pin SMD T/R"
Y2: library part CMP-003-00029-1, "Crystal 32.768kHz 10ppm 7pF -40C +85C", Frequency=32.768kHz, Pins=2

## Via types
v1: diameter 0.5, hole 0.2, Top Layer to Bottom Layer, 237 vias
v2: diameter 0.5, hole 0.25, Top Layer to Bottom Layer, 8 vias
v3: diameter 0.6, hole 0.3, Top Layer to Bottom Layer, 4 vias
v4: diameter 1, hole 0.5, Top Layer to Bottom Layer, 1 vias